# KiCad board KlusterLab r2.0.kicad_pcb (continued)
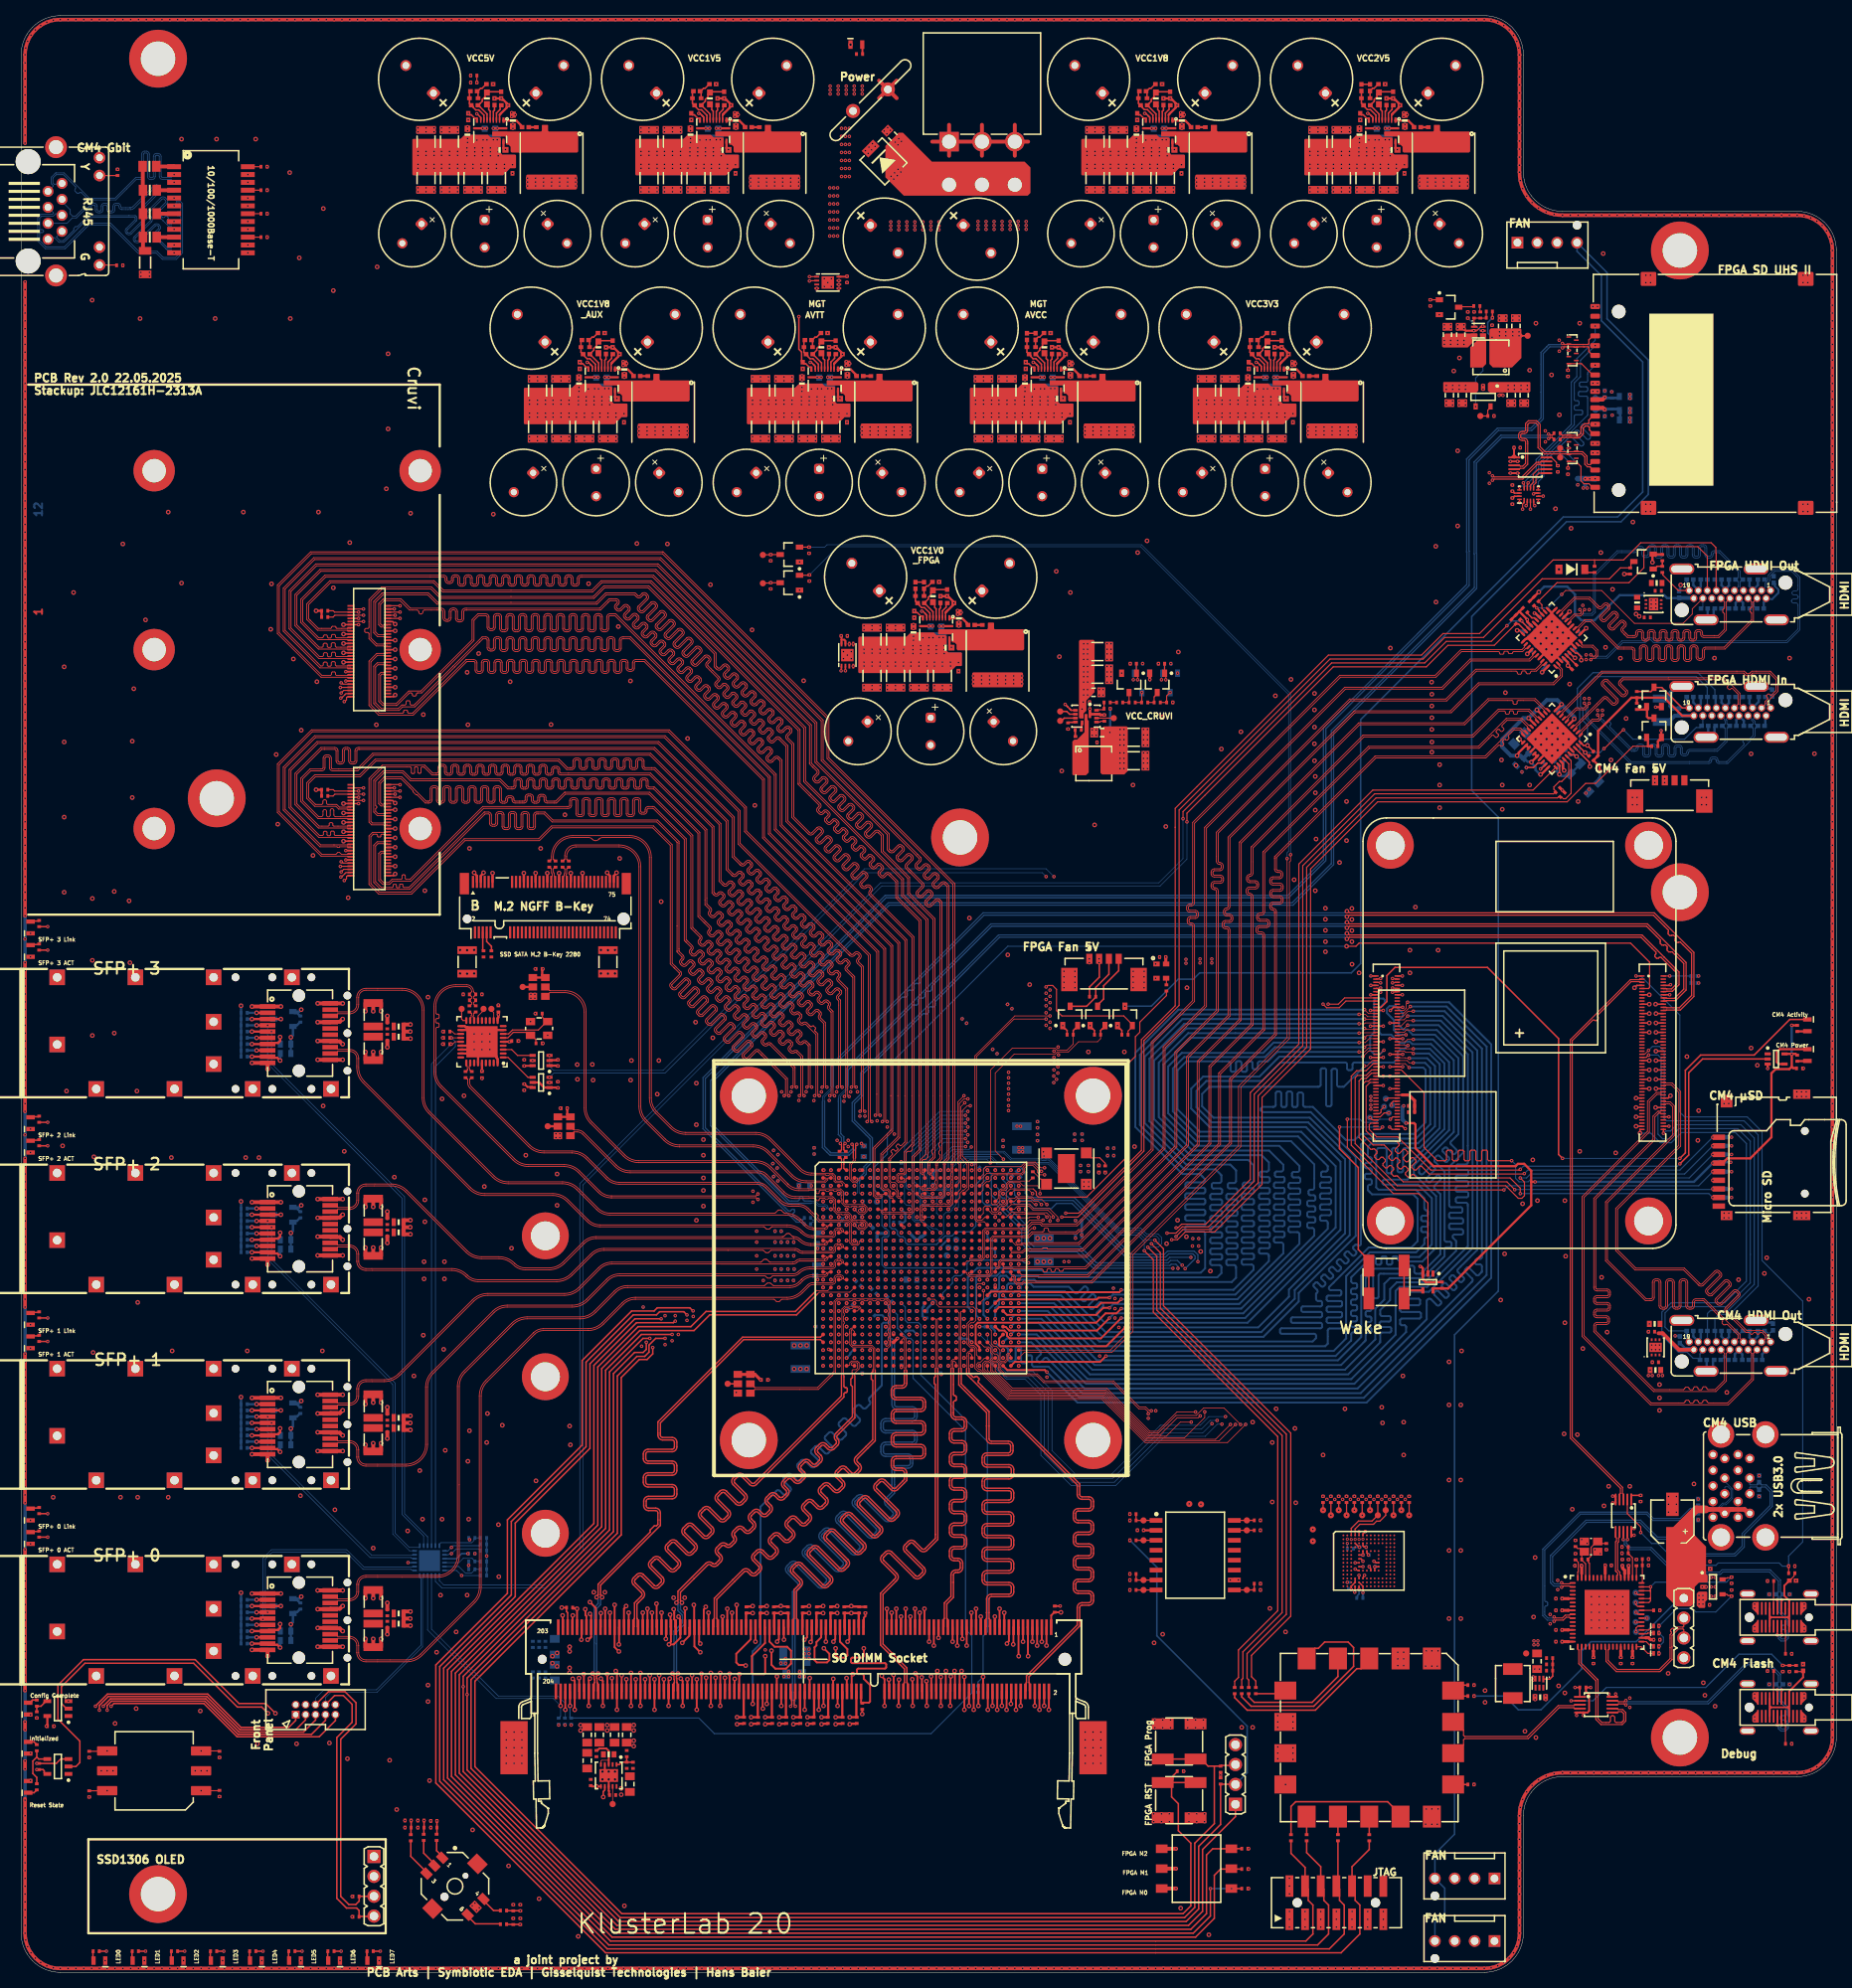
[diagram p0: board, top side]
## Routing (per net, layer and track width the routed paths; a pad name or vN(x,y) marks a point on that pad's centre or on a via; arc(x,y) is an arc through that point) (continued)
  vias: v1(0.5,234.74) v1(0.5,215) v1(0.5,211) v1(0.5,195) v1(0.5,191) v1(0.5,187) v1(0.5,176) v1(0.5,171) v1(0.5,155) v1(0.5,147) v1(0.5,128) v1(0.5,124) v1(0.5,119) v1(0.5,115) v1(0.5,111) v1(0.5,98) v1(0.5,92) v1(0.5,71) v1(0.5,53) v1(0.5,40) v1(0.5,21) v1(0.5,18) v1(0.5,10) v1(0.5,6) v1(0.59,245.88) v1(0.59,4.12) v1(0.84,246.72) v1(0.84,3.28) v1(1.2,132.75) v1(1.2,129.75) v1(1.2,107.75) v1(1.2,104.75) v1(1.2,82.75) v1(1.2,79.75) v1(1.2,57.75) v1(1.2,54.75) v1(1.2,32.9) v1(1.2,28) v1(1.26,247.5) v1(1.26,2.5) v1(1.82,248.18) v1(1.82,1.82) v1(2,26.7) v1(2.5,248.74) v1(2.5,1.26) v1(3.28,249.16) v1(3.28,0.84) v1(4.12,249.41) v1(4.12,0.59) v1(4.22,31.45) v1(6.05,34.65) v1(8.7,27.46) v1(8.7,22.41) v1(10,249.5) v1(10,0.5) v1(10.75,1.5) v1(11,249.5) v1(13,0.5) v1(15.3,217.2) v1(15.3,216.7) v1(15.75,1.5) v1(16.4,217.2) v1(16.4,216.7) v1(20,249.5) v1(20.75,1.5) v1(24,249.5) v1(25.35,27.46) v1(25.35,22.45) v1(25.75,1.5) v1(29,0.5) v1(30.75,1.5) v1(31.45,230.7) v1(31.45,227.7) v1(31.45,224.7) v1(31.45,221.7) v1(32,0.5) v1(34,249.5) v1(35,249.5) v1(35.75,1.5) v1(36,0.5) v1(40.75,1.5) v1(42,0.5) v1(45.75,1.5) v1(48,0.5) v1(49.06,19.4) v1(50,249.5) v1(50.73,232.65) v1(50.73,232.15) v1(50.73,231) v1(50.73,230.5) v1(50.71,19.4) v1(51.75,232.65) v1(51.75,232.15) v1(51.75,231) v1(51.75,230.5) v1(52,0.5) v1(52.36,19.35) v1(52.78,232.65) v1(52.78,232.15) v1(52.78,231) v1(52.78,230.5) v1(53.73,232.65) v1(53.73,232.15) v1(53.73,231) v1(53.73,230.5) v1(53.9,120.2) v1(54,0.5) v1(54.75,232.65) v1(54.75,232.15) v1(54.75,231) v1(54.75,230.5) v1(55.78,232.65) v1(55.78,232.15) v1(55.78,231) v1(55.78,230.5) v1(56,249.5) v1(56.73,231) v1(56.73,230.5) v1(56.98,233.1) v1(56.98,232.6) v1(56.98,232.1) v1(57.05,234.3) v1(57.05,233.8) v1(57.32,55.28) v1(57.46,242.35) v1(57.65,8.5) v1(57.75,231) v1(57.75,230.5) v1(57.9,118.9) v1(57.98,233.1) v1(57.98,232.6) v1(57.98,232.1) v1(58,53.5) v1(58,8.85) v1(58.2,7.9) v1(58.25,234.1) v1(58.55,8.25) v1(58.78,231) v1(58.78,230.5) v1(58.9,119.9) v1(58.9,117.9) v1(58.9,114.2) v1(59,249.5) v1(59.04,234.13) v1(58.98,233.1) v1(58.98,232.6) v1(58.98,232.1) v1(59.54,234.13) v1(59.73,231) v1(59.73,230.5) v1(59.9,118.9) v1(59.98,233.1) v1(59.98,232.6) v1(59.98,232.1) v1(60.35,234.15) v1(60.75,231) v1(60.75,230.5) v1(60.85,234.15) v1(61,249.5) v1(60.98,233.1) v1(60.98,232.6) v1(60.98,232.1) v1(61,123.6) v1(61,0.5) v1(61.78,231) v1(61.78,230.5) v1(62,30.7) v1(62,29.7) v1(62,28.7) v1(62,27.7) v1(62,26.7) v1(62.7,237.6) v1(62.71,237.11) v1(62.8,230.95) v1(63,249.5) v1(63,30.7) v1(63,29.7) v1(63,28.7) v1(63,27.7) v1(63,26.7) v1(63.15,237.35) v1(63.6,119) v1(63.8,8.64) v1(63.8,6.89) v1(64,30.7) v1(64,29.7) v1(64,28.7) v1(64,27.7) v1(64,26.7) v1(64.3,116.6) v1(64.3,112.71) v1(64.98,200.85) v1(64.98,200.35) v1(64.98,199.2) v1(64.98,198.7) v1(65.1,121.48) v1(65.15,124.95) v1(65.15,124.45) v1(65.38,116.5) v1(65.7,128.2) v1(65.65,124.95) v1(65.65,124.45) v1(65.7,122.5) v1(66,200.85) v1(66,200.35) v1(66,199.2) v1(66,198.7) v1(66.7,118.7) v1(67.03,200.85) v1(67.03,200.35) v1(67.03,199.2) v1(67.03,198.7) v1(67.3,119.73) v1(67.53,113.7) v1(67.98,200.85) v1(67.98,200.35) v1(67.98,199.2) v1(67.98,198.7) v1(68.35,107.15) v1(68.35,106.65) v1(68.6,113.8) v1(68.9,110.4) v1(68.85,107.15) v1(68.85,106.65) v1(69,200.85) v1(69,200.35) v1(69,199.2) v1(69,198.7) v1(70,249.5) v1(70.03,200.85) v1(70.03,200.35) v1(70.03,199.2) v1(70.03,198.7) v1(70,0.5) v1(70.98,199.2) v1(70.98,198.7) v1(71.23,201.3) v1(71.23,200.8) v1(71.23,200.3) v1(71.3,202.5) v1(71.3,202) v1(72,199.2) v1(72,198.7) v1(72.23,201.3) v1(72.23,200.8) v1(72.23,200.3) v1(72.5,202.3) v1(73.03,199.2) v1(73.03,198.7) v1(73.23,201.3) v1(73.23,200.8) v1(73.23,200.3) v1(73.29,202.33) v1(73.79,202.33) v1(73.98,199.2) v1(73.98,198.7) v1(74,0.5) v1(74.23,201.3) v1(74.23,200.8) v1(74.23,200.3) v1(74.6,202.35) v1(75,249.5) v1(75,199.2) v1(75,198.7) v1(75.1,202.35) v1(75.23,201.3) v1(75.23,200.8) v1(75.23,200.3) v1(76.03,199.2) v1(76.03,198.7) v1(76,0.5) v1(76.95,205.8) v1(76.96,205.31) v1(77.05,199.15) v1(77.4,205.55) v1(79,249.5) v1(79,0.5) v1(79.23,232.65) v1(79.23,232.15) v1(79.23,231) v1(79.23,230.5) v1(79.3,80) v1(79.5,85) v1(80.25,232.65) v1(80.25,232.15) v1(80.25,231) v1(80.25,230.5) v1(81.28,232.65) v1(81.28,232.15) v1(81.28,231) v1(81.28,230.5) v1(82,249.5) v1(82.23,232.65) v1(82.23,232.15) v1(82.23,231) v1(82.23,230.5) v1(82.3,83.9) v1(82.3,80.2) v1(83.2,80.7) v1(83.25,232.65) v1(83.25,232.15) v1(83.25,231) v1(83.25,230.5) v1(83.6,83.9) v1(84,81.5) v1(84.28,232.65) v1(84.28,232.15) v1(84.28,231) v1(84.28,230.5) v1(85,249.5) v1(85,0.5) v1(85.1,83.3) v1(85.23,231) v1(85.23,230.5) v1(85.48,233.1) v1(85.48,232.6) v1(85.48,232.1) v1(85.55,234.3) v1(85.55,233.8) v1(85.9,83.8) v1(86.25,231) v1(86.25,230.5) v1(86.48,233.1) v1(86.48,232.6) v1(86.48,232.1) v1(86.75,234.1) v1(87.28,231) v1(87.28,230.5) v1(87.54,234.13) v1(87.48,233.1) v1(87.48,232.6) v1(87.48,232.1) v1(88.04,234.13) v1(88.23,231) v1(88.23,230.5) v1(88.48,233.1) v1(88.48,232.6) v1(88.48,232.1) v1(88.85,234.15) v1(89.25,231) v1(89.25,230.5) v1(89.35,234.15) v1(89.48,233.1) v1(89.48,232.6) v1(89.48,232.1) v1(90.28,231) v1(90.28,230.5) v1(91.2,237.6) v1(91.21,237.11) v1(91.3,230.95) v1(91.4,74.1) v1(91.65,237.35) v1(93.48,200.85) v1(93.48,200.35) v1(93.48,199.2) v1(93.48,198.7) v1(93.53,99.81) v1(93.53,98.39) v1(94.01,94.7) v1(94.01,93.3) v1(94.01,91.55) v1(94.01,89.85) v1(94.5,200.85) v1(94.5,200.35) v1(94.5,199.2) v1(94.5,198.7) v1(94.86,88.4) v1(95.1,41.2) v1(95.53,200.85) v1(95.53,200.35) v1(95.53,199.2) v1(95.53,198.7) v1(95.5,75.7) v1(96.07,103.33) v1(96.17,105.03) v1(96.17,101.68) v1(96.36,94.7) v1(96.36,93.3) v1(96.36,91.55) v1(96.36,89.85) v1(96.36,88.4) v1(96.48,200.85) v1(96.48,200.35) v1(96.48,199.2) v1(96.48,198.7) v1(97,0.5) v1(97.1,39.5) v1(97.2,112.5) v1(97.5,200.85) v1(97.5,200.35) v1(97.5,199.2) v1(97.5,198.7) v1(97.5,37.8) v1(97.7,40.1) v1(97.7,39.5) v1(98.1,38.4) v1(98.1,37.8) v1(98.4,112.5) v1(98.53,200.85) v1(98.53,200.35) v1(98.53,199.2) v1(98.53,198.7) v1(98.75,93.3) v1(98.75,91.55) v1(98.71,88.4) v1(98.8,89.85) v1(99,249.5) v1(99.4,111.4) v1(99.4,100.5) v1(99.48,199.2) v1(99.48,198.7) v1(99.73,201.3) v1(99.73,200.8) v1(99.73,200.3) v1(99.8,202.5) v1(99.8,202) v1(100.33,112.51) v1(100.5,199.2) v1(100.5,198.7) v1(100.73,201.3) v1(100.73,200.8) v1(100.73,200.3) v1(101,249.5) v1(101,202.3) v1(101,0.5) v1(101.32,111.38) v1(101.35,105.34) v1(101.53,199.2) v1(101.53,198.7) v1(101.48,82.5) v1(101.69,215.15) v1(101.73,201.3) v1(101.73,200.8) v1(101.73,200.3) v1(101.79,202.33) v1(102.29,202.33) v1(102.28,112.5) v1(102.48,199.2) v1(102.48,198.7) v1(102.5,100.5) v1(102.5,98.5) v1(102.5,96.5) v1(102.5,92.5) v1(102.5,88.5) v1(102.5,87.5) v1(102.5,77.5) v1(102.6,102.5) v1(102.65,216.4) v1(102.65,215.4) v1(102.73,201.3) v1(102.73,200.8) v1(102.73,200.3) v1(103.1,215.9) v1(103.1,202.35) v1(103.28,111.4) v1(103.55,216.4) v1(103.55,215.4) v1(103.5,199.2) v1(103.5,198.7) v1(103.5,102.5) v1(103.5,98.5) v1(103.5,94.5) v1(103.5,90.5) v1(103.5,88.5) v1(103.5,84.5) v1(103.6,202.35) v1(103.73,201.3) v1(103.73,200.8) v1(103.73,200.3) v1(104,249.5) v1(104.22,112.5) v1(104.29,106.3) v1(104.51,216.15) v1(104.51,215.65) v1(104.51,215.15) v1(104.53,199.2) v1(104.53,198.7) v1(104.5,97.5) v1(104.5,93.5) v1(104.5,89.5) v1(104.5,87.5) v1(104.5,81.5) v1(105.1,168.75) v1(105.1,167.85) v1(105.15,111.3) v1(105.45,205.8) v1(105.46,205.31) v1(105.5,101.5) v1(105.5,99.5) v1(105.5,97.5) v1(105.5,95.5) v1(105.5,93.5) v1(105.5,91.5) v1(105.5,89.5) v1(105.5,87.5) v1(105.55,215.91) v1(105.55,199.15) v1(105.6,170.75) v1(105.6,168.3) v1(105.71,106.3) v1(105.7,105.5) v1(105.9,205.55) v1(105.85,169.71) v1(106,249.5) v1(106.02,112.5) v1(106,0.5) v1(106.1,168.75) v1(106.1,167.85) v1(106.35,169.71) v1(106.35,166.89) v1(106.5,102.5) v1(106.5,100.5) v1(106.5,98.5) v1(106.5,96.5) v1(106.5,94.5) v1(106.5,92.5) v1(106.5,90.5) v1(106.5,88.5) v1(106.5,85.5) v1(106.89,112.5) v1(107.2,109.4) v1(107.2,102.5) v1(107.4,105.9) v1(107.5,82.5) v1(107.5,76.48) v1(107.73,169.05) v1(107.73,168.55) v1(107.73,167.4) v1(107.73,166.9) v1(107.7,105.58) v1(107.85,109.4) v1(108,249.5) v1(108.5,102.5) v1(108.5,101.5) v1(108.5,100.5) v1(108.5,99.5) v1(108.5,98.5) v1(108.5,97.48) v1(108.5,93.5) v1(108.5,91.5) v1(108.5,90.5) v1(108.5,89.5) v1(108.5,79.5) v1(108.75,169.05) v1(108.75,168.55) v1(108.75,167.4) v1(108.75,166.9) v1(109,0.5) v1(109.4,108.8) v1(109.5,96.5) v1(109.5,88.7) v1(109.5,86.5) v1(109.78,169.05) v1(109.78,168.55) v1(109.78,167.4) v1(109.78,166.9) v1(110.5,93.5) v1(110.5,91.5) v1(110.5,89.5) v1(110.5,87.5) v1(110.73,169.05) v1(110.73,168.55) v1(110.73,167.4) v1(110.73,166.9) v1(110.7,108) v1(111,0.5) v1(111.18,229.47) v1(111.53,229.12) v1(111.5,100.5) v1(111.5,92.5) v1(111.5,90.5) v1(111.5,88.5) v1(111.5,86.5) v1(111.63,229.92) v1(111.6,107.1) v1(111.71,233.84) v1(111.75,169.05) v1(111.75,168.55) v1(111.75,167.4) v1(111.75,166.9) v1(112,249.5) v1(111.98,229.57) v1(112.06,233.49) v1(112.08,230.37) v1(112.16,234.29) v1(112.43,230.02) v1(112.51,233.94) v1(112.48,103.58) v1(112.5,93.5) v1(112.5,91.5) v1(112.5,90.5) v1(112.5,89.5) v1(112.5,88.5) v1(112.5,87.5) v1(112.5,77.3) v1(112.78,169.05) v1(112.78,168.55) v1(112.78,167.4) v1(112.78,166.9) v1(113.5,92.5) v1(113.5,90.5) v1(113.5,89.5) v1(113.5,88.5) v1(113.5,86.5) v1(113.5,84.5) v1(113.73,167.4) v1(113.73,166.9) v1(114,249.5) v1(113.98,169.5) v1(113.98,169) v1(113.98,168.5) v1(114,0.5) v1(114.05,170.7) v1(114.05,170.2) v1(114.5,101.5) v1(114.5,91.5) v1(114.5,89.5) v1(114.5,87.5) v1(114.75,167.4) v1(114.75,166.9) v1(114.98,169.5) v1(114.98,169) v1(114.98,168.5) v1(115.25,170.5) v1(115.5,98.5) v1(115.5,92.5) v1(115.5,90.5) v1(115.5,88.5) v1(115.5,86.5) v1(115.5,78.5) v1(115.78,167.4) v1(115.78,166.9) v1(116.04,170.53) v1(115.98,169.5) v1(115.98,169) v1(115.98,168.5) v1(116.54,170.53) v1(116.5,95.5) v1(116.5,91.5) v1(116.5,89.5) v1(116.5,87.5) v1(116.73,167.4) v1(116.73,166.9) v1(116.98,169.5) v1(116.98,169) v1(116.98,168.5) v1(117.35,170.55) v1(117.5,82.5) v1(117.6,76.4) v1(117.75,167.4) v1(117.75,166.9) v1(117.85,170.55) v1(117.98,169.5) v1(117.98,169) v1(117.98,168.5) v1(118,0.5) v1(118.5,99.5) v1(118.5,89.5) v1(118.5,79.5) v1(118.78,167.4) v1(118.78,166.9) v1(119.5,96.5) v1(119.5,86.5) v1(119.7,174) v1(119.71,173.51) v1(119.8,167.35) v1(120.15,173.75) v1(120.27,121.83) v1(120.5,93.5) v1(120.5,83.5) v1(121.49,100.51) v1(121.5,90.5) v1(121.98,200.85) v1(121.98,200.35) v1(121.98,199.2) v1(121.98,198.7) v1(122.5,97.5) v1(122.5,87.5) v1(122.5,77.5) v1(123,200.85) v1(123,200.35) v1(123,199.2) v1(123,198.7) v1(124.03,200.85) v1(124.03,200.35) v1(124.03,199.2) v1(124.03,198.7) v1(124.17,117.93) v1(124.5,101.5) v1(124.98,200.85) v1(124.98,200.35) v1(124.98,199.2) v1(124.98,198.7) v1(124.98,96.05) v1(125.5,106.29) v1(125.5,98.5) v1(125.5,88.5) v1(125.5,78.5) v1(126,200.85) v1(126,200.35) v1(126,199.2) v1(126,198.7) v1(126.07,123.68) v1(126.5,95.5) v1(126.5,85.5) v1(127.03,200.85) v1(127.03,200.35) v1(127.03,199.2) v1(127.03,198.7) v1(127.28,108.1) v1(127.5,102.5) v1(127.5,92.5) v1(127.5,82.5) v1(127.73,108.1) v1(127.98,199.2) v1(127.98,198.7) v1(128.23,201.3) v1(128.23,200.8) v1(128.23,200.3) v1(128.3,202.5) v1(128.3,202) v1(128.4,97.5) v1(128.5,87.5) v1(129,199.2) v1(129,198.7) v1(129.23,201.3) v1(129.23,200.8) v1(129.23,200.3) v1(129.5,202.3) v1(129.9,108.69) v1(129.9,106.26) v1(130.03,199.2) v1(130.03,198.7) v1(130.23,201.3) v1(130.23,200.8) v1(130.23,200.3) v1(130.29,202.33) v1(130.66,104.83) v1(130.73,104.3) v1(130.79,202.33) v1(130.98,199.2) v1(130.98,198.7) v1(131.1,76.05) v1(131.23,201.3) v1(131.23,200.8) v1(131.23,200.3) v1(131.6,202.35) v1(132,199.2) v1(132,198.7) v1(132,0.5) v1(132.1,202.35) v1(132.23,201.3) v1(132.23,200.8) v1(132.23,200.3) v1(133.03,199.2) v1(133.03,198.7) v1(133.28,127.9) v1(133.28,127.2) v1(133.28,126.5) v1(133.28,125.8) v1(133.95,205.8) v1(133.95,205.31) v1(134.05,199.15) v1(134.4,205.55) v1(134.68,127.9) v1(134.68,127.2) v1(134.68,126.5) v1(134.68,125.8) v1(134.65,107.09) v1(135.4,102.31) v1(135.6,107.09) v1(136,30.7) v1(136,29.7) v1(136,28.7) v1(136,27.7) v1(136,26.7) v1(136.23,232.65) v1(136.23,232.15) v1(136.23,231) v1(136.23,230.5) v1(136.4,102.31) v1(136.55,162.3) v1(136.53,129.5) v1(136.53,129) v1(136.6,161.4) v1(136.9,158.75) v1(136.9,158.05) v1(137,30.7) v1(137,29.7) v1(137,28.7) v1(137,27.7) v1(137,26.7) v1(137,0.5) v1(137.25,232.65) v1(137.25,232.15) v1(137.25,231) v1(137.25,230.5) v1(137.4,158.75) v1(137.4,158.05) v1(137.51,157.15) v1(137.8,163.9) v1(137.8,163.2) v1(137.75,103.15) v1(137.85,78.75) v1(138,30.7) v1(138,29.7) v1(138,28.7) v1(138,27.7) v1(138,26.7) v1(138.28,232.65) v1(138.28,232.15) v1(138.28,231) v1(138.28,230.5) v1(138.3,163.9) v1(138.3,163.2) v1(138.8,169.75) v1(138.8,169.05) v1(138.8,168.45) v1(138.8,167.75) v1(138.8,166.85) v1(138.8,166.15) v1(138.8,165.55) v1(138.8,164.85) v1(139,249.5) v1(139.23,232.65) v1(139.23,232.15) v1(139.23,231) v1(139.23,230.5) v1(139.3,169.75) v1(139.3,169.05) v1(139.3,168.45) v1(139.3,167.75) v1(139.3,166.85) v1(139.3,166.15) v1(139.3,165.55) v1(139.3,164.85) v1(139.65,105.3) v1(139.65,104.35) v1(139.6,87.4) v1(139.8,86.1) v1(139.8,84.8) v1(139.8,83.6) v1(140,0.5) v1(140.25,232.65) v1(140.25,232.15) v1(140.25,231) v1(140.25,230.5) v1(140.3,82.4) v1(140.65,166) v1(141.28,232.65) v1(141.28,232.15) v1(141.28,231) v1(141.28,230.5) v1(141.76,167.22) v1(142.13,127.9) v1(142.13,127.2) v1(142.13,126.5) v1(142.13,125.8) v1(142.23,231) v1(142.23,230.5) v1(142.48,233.1) v1(142.48,232.6) v1(142.48,232.1) v1(142.55,234.3) v1(142.55,233.8) v1(142.67,56.49) v1(143.25,231) v1(143.25,230.5) v1(143.34,167.22) v1(143.48,233.1) v1(143.48,232.6) v1(143.48,232.1) v1(143.45,158.8) v1(143.45,158.1) v1(143.45,157.5) v1(143.45,156.8) v1(143.45,155.8) v1(143.45,155.1) v1(143.45,154.5) v1(143.45,153.8) v1(143.53,127.9) v1(143.53,127.2) v1(143.53,126.5) v1(143.53,125.8) v1(143.75,234.1) v1(143.95,158.8) v1(143.95,158.1) v1(143.95,157.5) v1(143.95,156.8) v1(143.95,155.8) v1(143.95,155.1) v1(143.95,154.5) v1(143.95,153.8) v1(144.06,70.8) v1(144.28,231) v1(144.28,230.5) v1(144.54,234.13) v1(144.48,233.1) v1(144.48,232.6) v1(144.48,232.1) v1(144.9,32.25) v1(144.9,31.25) v1(145,249.5) v1(145.04,234.13) v1(145,128.84) v1(145,127.01) v1(145.02,71.75) v1(145.23,231) v1(145.23,230.5) v1(145.36,167.22) v1(145.48,233.1) v1(145.48,232.6) v1(145.48,232.1) v1(145.51,129.72) v1(145.85,234.15) v1(145.9,32.25) v1(145.9,31.25) v1(146.25,231) v1(146.25,230.5) v1(146.35,234.15) v1(146.48,233.1) v1(146.48,232.6) v1(146.48,232.1) v1(146.95,167.22) v1(146.9,32.25) v1(146.9,31.25) v1(147.2,162.27) v1(147.28,231) v1(147.28,230.5) v1(147.8,166) v1(148.2,237.6) v1(148.2,237.11) v1(148.3,230.95) v1(148.6,25.7) v1(148.65,237.35) v1(149.1,32.25) v1(149.1,31.25) v1(150.1,32.25) v1(150.1,31.25) v1(150.48,200.85) v1(150.48,200.35) v1(150.48,199.2) v1(150.48,198.7) v1(150.79,59.81) v1(151.1,32.25) v1(151.1,31.25) v1(151.5,200.85) v1(151.5,200.35) v1(151.5,199.2) v1(151.5,198.7) v1(152,0.5) v1(152.53,200.85) v1(152.53,200.35) v1(152.53,199.2) v1(152.53,198.7) v1(153.48,200.85) v1(153.48,200.35) v1(153.48,199.2) v1(153.48,198.7) v1(154.5,200.85) v1(154.5,200.35) v1(154.5,199.2) v1(154.5,198.7) v1(154.54,50.13) v1(155,0.5) v1(155.53,200.85) v1(155.53,200.35) v1(155.53,199.2) v1(155.53,198.7) v1(156.48,199.2) v1(156.48,198.7) v1(156.73,201.3) v1(156.73,200.8) v1(156.73,200.3) v1(156.8,202.5) v1(156.8,202) v1(156.9,15.8) v1(156.9,13.2) v1(156.9,10.7) v1(157.5,199.2) v1(157.5,198.7) v1(157.73,201.3) v1(157.73,200.8) v1(157.73,200.3) v1(158,202.3) v1(158.53,199.2) v1(158.53,198.7) v1(158.73,201.3) v1(158.73,200.8) v1(158.73,200.3) v1(158.79,202.33) v1(159,249.5) v1(159.29,202.33) v1(159.48,199.2) v1(159.48,198.7) v1(159.73,201.3) v1(159.73,200.8) v1(159.73,200.3) v1(160.1,202.35) v1(160.5,199.2) v1(160.5,198.7) v1(160.6,202.35) v1(160.6,32.8) v1(160.6,32) v1(160.6,31.3) v1(160.73,201.3) v1(160.73,200.8) v1(160.73,200.3) v1(161.53,199.2) v1(161.53,198.7) v1(162.1,7.78) v1(162.1,6.78) v1(162.1,5.78) v1(162.45,205.8) v1(162.45,205.31) v1(162.55,199.15) v1(162.55,32.7) v1(162.55,32) v1(162.55,31.2) v1(162.9,205.55) v1(163,0.5) v1(164.1,7.78) v1(164.1,6.78) v1(164.1,5.78) v1(164.73,232.65) v1(164.73,232.15) v1(164.73,231) v1(164.73,230.5) v1(165,249.5) v1(165.09,56.6) v1(165.75,232.65) v1(165.75,232.15) v1(165.75,231) v1(165.75,230.5) v1(166.1,7.78) v1(166.1,6.78) v1(166.1,5.78) v1(166.78,232.65) v1(166.78,232.15) v1(166.78,231) v1(166.78,230.5) v1(166.9,60.43) v1(167.73,232.65) v1(167.73,232.15) v1(167.73,231) v1(167.73,230.5) v1(167.9,60.43) v1(168.1,7.78) v1(168.1,6.78) v1(168.1,5.78) v1(168.75,232.65) v1(168.75,232.15) v1(168.75,231) v1(168.75,230.5) v1(168.9,60.43) v1(169.5,49.83) v1(169.78,232.65) v1(169.78,232.15) v1(169.78,231) v1(169.78,230.5) v1(169.9,60.43) v1(170,0.5) v1(170.1,7.78) v1(170.1,6.78) v1(170.1,5.78) v1(170.73,231) v1(170.73,230.5) v1(170.9,60.43) v1(170.98,233.1) v1(170.98,232.6) v1(170.98,232.1) v1(171,0.5) v1(171.05,234.3) v1(171.05,233.8) v1(171.75,231) v1(171.75,230.5) v1(171.9,60.43) v1(171.98,233.1) v1(171.98,232.6) v1(171.98,232.1) v1(172.1,7.78) v1(172.1,6.78) v1(172.1,5.78) v1(172.25,234.1) v1(172.78,231) v1(172.78,230.5) v1(172.9,60.43) v1(173.04,234.13) v1(172.98,233.1) v1(172.98,232.6) v1(172.98,232.1) v1(173,0.5) v1(173.54,234.13) v1(173.73,231) v1(173.73,230.5) v1(173.9,60.43) v1(173.98,233.1) v1(173.98,232.6) v1(173.98,232.1) v1(174.1,7.78) v1(174.1,6.78) v1(174.1,5.78) v1(174.35,234.15) v1(174.75,231) v1(174.75,230.5) v1(174.85,234.15) v1(174.9,60.43) v1(174.98,233.1) v1(174.98,232.6) v1(174.98,232.1) v1(175,0.5) v1(175.78,231) v1(175.78,230.5) v1(175.9,60.43) v1(176.7,237.6) v1(176.7,237.11) v1(176.8,230.95) v1(176.9,60.43) v1(177,0.5) v1(177.15,237.35) v1(179.5,39.13) v1(179.5,18.93) v1(179.6,41.08) v1(179.6,20.88) v1(180,0.5) v1(180.1,212.91) v1(180.3,41.08) v1(180.3,39.13) v1(180.3,20.88) v1(180.3,18.93) v1(181,39.13) v1(181,18.93) v1(181,0.5) v1(181.1,41.08) v1(181.1,20.88) v1(181.27,211.8) v1(181.9,210.5) v1(181.9,210) v1(182.15,200.75) v1(182.15,200.25) v1(182.7,210.5) v1(182.7,210) v1(182.95,200.75) v1(182.95,200.25) v1(183,0.5) v1(183.6,210.5) v1(183.6,210) v1(183.8,200.75) v1(183.8,200.25) v1(184,249.5) v1(184.4,210.5) v1(184.4,210) v1(184.6,200.75) v1(184.6,200.25) v1(184.9,212.14) v1(185.7,212.15) v1(185.7,36.7) v1(186,249.5) v1(186.81,210.34) v1(186.85,202.77) v1(186.85,202.27) v1(187.65,191.6) v1(187.65,190.25) v1(187.88,249.41) v1(187.88,0.59) v1(188,210.45) v1(188.72,249.16) v1(188.72,0.84) v1(188.89,201.49) v1(188.95,211.6) v1(188.95,211.1) v1(189.39,201.49) v1(189.5,248.74) v1(189.5,1.26) v1(189.75,211.6) v1(189.75,211.1) v1(190.05,200.75) v1(190.05,200.25) v1(190.18,248.18) v1(190.18,1.82) v1(190.35,193.05) v1(190.35,191.55) v1(190.59,190.03) v1(190.59,187.59) v1(190.74,247.5) v1(190.65,211.6) v1(190.65,211.1) v1(190.74,2.5) v1(190.85,200.75) v1(190.85,200.25) v1(191.16,246.72) v1(191.16,3.28) v1(191.25,193.05) v1(191.25,191.55) v1(191.41,245.88) v1(191.41,4.12) v1(191.5,243.97) v1(191.5,233.97) v1(191.5,232.95) v1(191.5,231.92) v1(191.5,230.9) v1(191.45,211.6) v1(191.45,211.1) v1(191.5,19) v1(191.5,18) v1(191.5,17) v1(191.5,14) v1(191.5,11) v1(191.5,9) v1(191.5,6) v1(191.61,228.93) v1(191.6,194.8) v1(191.61,21.07) v1(191.7,200.75) v1(191.7,200.25) v1(191.92,227.9) v1(191.92,22.1) v1(192.43,226.94) v1(192.43,23.06) v1(192.5,200.75) v1(192.5,200.25) v1(193.11,226.11) v1(193.11,23.89) v1(193.45,38.75) v1(193.94,225.43) v1(193.94,24.57) v1(194.05,38.75) v1(194.8,196.95) v1(194.81,195.54) v1(194.9,224.92) v1(194.85,35.35) v1(194.85,34.85) v1(194.9,25.08) v1(195.42,45.73) v1(195.42,44.53) v1(195.93,224.61) v1(195.93,25.39) v1(196.16,47.75) v1(196.16,46.25) v1(196.16,43.75) v1(196.16,42.25) v1(196.4,191.71) v1(196.39,50.09) v1(196.39,48.89) v1(196.58,208.54) v1(196.59,207.13) v1(197.81,207.24) v1(197.81,194.75) v1(198,224.5) v1(198,25.5) v1(198.56,51.95) v1(198.65,55.19) v1(198.65,53.49) v1(198.95,190.06) v1(199.45,55.3) v1(199.6,174.65) v1(199.65,189.65) v1(199.8,162.75) v1(200.02,168.33) v1(200.02,167.73) v1(200,25.5) v1(200.15,189.65) v1(200.15,54.8) v1(200.42,174.1) v1(200.4,162.75) v1(200.7,48) v1(200.7,47) v1(200.7,46) v1(200.7,45) v1(200.7,44) v1(200.87,212.84) v1(200.87,203.04) v1(200.87,201.99) v1(200.87,195.34) v1(200.87,194.14) v1(200.95,39.46) v1(201.15,54) v1(201.47,212.84) v1(201.47,203.04) v1(201.47,201.99) v1(201.47,195.34) v1(201.47,194.14) v1(201.5,161.25) v1(201.7,48) v1(201.7,47) v1(201.7,46) v1(201.7,45) v1(201.7,44) v1(201.85,53.5) v1(202.1,161.25) v1(202.4,202.08) v1(202.4,198.83) v1(202.6,54) v1(202.7,48) v1(202.7,47) v1(202.7,46) v1(202.7,45) v1(202.7,44) v1(203,25.5) v1(203.25,52) v1(203.3,201.95) v1(203.35,198.96) v1(203.7,48) v1(203.7,47) v1(203.7,46) v1(203.7,45) v1(203.7,44) v1(204.45,39.46) v1(204.61,54.35) v1(204.65,52.74) v1(204.7,48) v1(204.7,47) v1(204.7,46) v1(204.7,45) v1(204.7,44) v1(205.45,52.74) v1(205.6,35.05) v1(205.6,33.85) v1(205.94,150.12) v1(205.94,149.18) v1(206,224.5) v1(205.95,39.46) v1(206.54,150.12) v1(206.54,149.18) v1(206.45,52.75) v1(206.99,60.15) v1(207.65,216.83) v1(207.65,215.9) v1(207.65,187.58) v1(207.65,186.65) v1(208,224.5) v1(207.98,81.85) v1(207.98,76.25) v1(208,52.8) v1(208.1,82.85) v1(208.2,76.95) v1(208.25,216.83) v1(208.25,215.9) v1(208.25,187.58) v1(208.25,186.65) v1(208.34,175.31) v1(208.34,174.81) v1(208.34,174.31) v1(208.4,80.15) v1(208.4,79.55) v1(208.48,77.95) v1(208.48,76.25) v1(208.8,152.52) v1(208.8,152.02) v1(208.94,175.31) v1(208.94,174.81) v1(208.94,174.31) v1(208.9,80.15) v1(208.9,79.55) v1(209,25.5) v1(209.4,80.15) v1(209.4,79.55) v1(209.45,42.5) v1(210,224.5) v1(210,25.5) v1(210.55,60.8) v1(210.55,59.8) v1(210.55,58.8) v1(211.55,60.8) v1(211.55,59.8) v1(211.55,58.8) v1(213,224.5) v1(213,25.5) v1(214.33,60.47) v1(214.33,57.82) v1(214.4,126.4) v1(214.79,150.12) v1(214.79,149.18) v1(214.85,49.24) v1(215.39,150.12) v1(215.39,149.18) v1(215.35,49.24) v1(215.85,52.5) v1(215.8,46.95) v1(215.88,51.55) v1(216,50.45) v1(216,49.25) v1(216,48.05) v1(216.2,101.2) v1(216.5,50.45) v1(216.5,49.25) v1(216.5,48.05) v1(217.65,111.6) v1(217.65,111) v1(217.65,97) v1(217.65,96.4) v1(218.25,111.6) v1(218.25,111) v1(218.25,97) v1(218.25,96.4) v1(221.55,47.05) v1(221.55,46.55) v1(221.55,44.17) v1(221.55,43.67) v1(221.55,35.55) v1(221.55,35.05) v1(221.55,32.67) v1(221.55,32.17) v1(222.13,63.47) v1(222.13,60.82) v1(223,224.5) v1(223.2,50) v1(223.2,38.5) v1(223.43,48.3) v1(223.43,36.8) v1(225.16,38.42) v1(226,224.5) v1(226.03,48.3) v1(226.01,38.42) v1(226.03,36.8) v1(226,25.5) v1(226.3,40.7) v1(226.3,29.2) v1(226.69,51.9) v1(226.85,50.05) v1(226.95,112.5) v1(226.95,111.9) v1(226.95,97) v1(226.95,96.4) v1(227.55,112.5) v1(227.55,111.9) v1(227.55,97) v1(227.55,96.4) v1(227.75,216.83) v1(227.75,215.9) v1(227.75,187.58) v1(227.75,186.65) v1(227.8,115.5) v1(227.75,39.38) v1(227.88,224.41) v1(227.9,47.05) v1(227.9,46.55) v1(227.9,44.17) v1(227.9,43.67) v1(227.9,35.55) v1(227.9,35.05) v1(227.9,32.67) v1(227.9,32.17) v1(227.88,25.59) v1(228.15,112.5) v1(228.15,111.9) v1(228.15,97) v1(228.15,96.4) v1(228.35,216.83) v1(228.35,215.9) v1(228.35,187.58) v1(228.35,186.65) v1(228.72,224.16) v1(228.72,25.84) v1(229.5,223.74) v1(229.5,26.26) v1(230.18,223.18) v1(230.18,26.82) v1(230.74,222.5) v1(230.74,27.5) v1(231.16,221.72) v1(231.16,28.28) v1(231.41,220.88) v1(231.41,29.12) v1(231.5,219) v1(231.5,213) v1(231.5,206) v1(231.5,201) v1(231.5,200) v1(231.5,199) v1(231.5,198) v1(231.5,197) v1(231.5,196) v1(231.5,195) v1(231.5,194) v1(231.5,193) v1(231.5,192) v1(231.5,191) v1(231.5,190) v1(231.5,189) v1(231.5,188) v1(231.5,187) v1(231.5,186) v1(231.5,185) v1(231.5,184) v1(231.5,183) v1(231.5,182) v1(231.5,181) v1(231.5,180) v1(231.5,179) v1(231.5,178) v1(231.5,177) v1(231.5,176) v1(231.5,175) v1(231.5,174) v1(231.5,173) v1(231.5,172) v1(231.5,171) v1(231.5,170) v1(231.5,169) v1(231.5,168) v1(231.5,167) v1(231.5,166) v1(231.5,165) v1(231.5,164) v1(231.5,163) v1(231.5,162) v1(231.5,161) v1(231.5,160) v1(231.5,159) v1(231.5,158) v1(231.5,157) v1(231.5,156) v1(231.5,155) v1(231.5,154) v1(231.5,153) v1(231.5,152) v1(231.5,151) v1(231.5,150) v1(231.5,149) v1(231.5,148) v1(231.5,147) v1(231.5,146) v1(231.5,145) v1(231.5,144) v1(231.5,143) v1(231.5,142) v1(231.5,141) v1(231.5,140) v1(231.5,139) v1(231.5,138) v1(231.5,137) v1(231.5,136) v1(231.5,134) v1(231.5,131) v1(231.5,119) v1(231.5,118) v1(231.5,117) v1(231.5,116) v1(231.5,115) v1(231.5,114) v1(231.5,113) v1(231.5,112) v1(231.5,111) v1(231.5,110) v1(231.5,109) v1(231.5,108) v1(231.5,107) v1(231.5,106) v1(231.5,105) v1(231.5,104) v1(231.5,103) v1(231.5,102) v1(231.5,101) v1(231.5,100) v1(231.5,99) v1(231.5,98) v1(231.5,97) v1(231.5,96) v1(231.5,95) v1(231.5,94) v1(231.5,93) v1(231.5,92) v1(231.5,91) v1(231.5,90) v1(231.5,89) v1(231.5,88) v1(231.5,87) v1(231.5,86) v1(231.5,85) v1(231.5,84) v1(231.5,83) v1(231.5,82) v1(231.5,81) v1(231.5,80) v1(231.5,79) v1(231.5,78) v1(231.5,77) v1(231.5,76) v1(231.5,75) v1(231.5,74) v1(231.5,73) v1(231.5,72) v1(231.5,71) v1(231.5,70) v1(231.5,69) v1(231.5,68) v1(231.5,67) v1(231.5,66) v1(231.5,65) v1(231.5,64) v1(231.5,63) v1(231.5,62) v1(231.5,61) v1(231.5,60) v1(231.5,59) v1(231.5,58) v1(231.5,57) v1(231.5,56) v1(231.5,55) v1(231.5,54) v1(231.5,53) v1(231.5,52) v1(231.5,51) v1(231.5,50) v1(231.5,49) v1(231.5,48) v1(231.5,47) v1(231.5,46) v1(231.5,40) v1(231.5,34) v1(231.5,33) v1(231.5,32) v1(231.5,31) v1(231.5,30) v2(4.1,60.7) v2(5.3,105.6) v2(5.5,166.8) v2(5.5,157.2) v2(5.5,147.6) v2(5.5,138) v2(5.8,112.6) v2(6.7,176.3) v2(9.08,213.65) v2(9.1,137.2) v2(9.1,129.3) v2(9.1,119.7) v2(9.2,79.2) v2(9.3,104.2) v2(11.9,138.1) v2(11.9,120) v2(12,31.8) v2(12.7,60.7) v2(13,182.5) v2(13.8,136.9) v2(13.9,129) v2(14.2,157.3) v2(14.2,150.1) v2(14.4,164) v2(14.7,33.7) v2(14.8,112.6) v2(14.9,85.6) v2(14.9,60.7) v2(15.2,211.3) v2(15.9,172.8) v2(18.8,186.57) v2(18.8,60.7) v2(19.2,104.1) v2(19.3,79.4) v2(20.5,234.22) v2(20.5,177.5) v2(22.9,33.4) v2(24.8,211.3) v2(24.98,234.22) v2(28.4,186.57) v2(28.7,104.1) v2(28.9,79.4) v2(29.98,234.22) v2(30.2,29.2) v2(30.4,104.1) v2(31.9,171.6) v2(32,177.4) v2(32.6,155.6) v2(32.8,146.7) v2(34.33,229.95) v2(34.4,211.3) v2(34.8,167.8) v2(35.2,29.2) v2(35.55,219.05) v2(35.7,60.9) v2(35.8,158.7) v2(37.3,142.7) v2(37.8,164.9) v2(38,186.57) v2(38.5,79.4) v2(38.63,225.35) v2(38.6,110.7) v2(39.4,29.3) v2(39.9,214.87) v2(39.9,176.9) v2(40.1,59.1) v2(41.3,104.9) v2(41.7,27.3) v2(41.8,137.3) v2(42,182.67) v2(45,54.2) v2(45.4,159.4) v2(45.5,217.9) v2(46.68,189.55) v2(46.9,206.8) v2(46.9,197.2) v2(47.1,27.1) v2(47.7,101.6) v2(48,20.8) v2(49.4,56.4) v2(49.78,186.42) v2(50.2,76.2) v2(50.95,64.11) v2(51.3,57.9) v2(51.4,160.7) v2(51.4,81.4) v2(51.5,90.8) v2(51.5,88.6) v2(51.6,138.2) v2(51.6,98.7) v2(51.6,95.9) v2(52,124.6) v2(52,36.7) v2(52,34.6) v2(52.2,24.5) v2(53.1,40.9) v2(53.6,48.2) v2(53.8,111.6) v2(53.8,57.9) v2(54,79.6) v2(54.1,90.8) v2(54.1,88.6) v2(54.2,66.7) v2(55.6,43.5) v2(56.1,127.62) v2(56.6,112) v2(57,166.1) v2(57,127.6) v2(57,48.2) v2(57.1,159.4) v2(57.1,65.3) v2(57.2,57.9) v2(57.3,143.6) v2(57.3,69.2) v2(57.7,18.2) v2(57.9,127.62) v2(58.48,168.5) v2(59.2,100.4) v2(59.5,67.7) v2(59.6,71.4) v2(60.35,186.3) v2(61,57.2) v2(61.05,50.55) v2(61.5,69.9) v2(62.3,13.6) v2(62.5,164.9) v2(62.68,92.52) v2(64.5,104.4) v2(65.8,62.8) v2(66.2,9.4) v2(66.4,143.6) v2(67.73,159.42) v2(68.5,102) v2(68.5,98) v2(69.5,147.9) v2(70.1,69.8) v2(70.1,41.6) v2(70.1,41) v2(70.2,67.4) v2(71.07,115.98) v2(71.1,114.1) v2(71.2,4.6) v2(71.5,31.6) v2(71.5,30.9) v2(72.53,177.42) v2(73,116) v2(73.1,114) v2(73.19,48.57) v2(74.1,127.62) v2(74.3,24.65) v2(74.61,48.57) v2(74.9,31.6) v2(74.9,30.9) v2(75,127.6) v2(75.1,25.65) v2(75.9,127.62) v2(75.9,25.65) v2(75.9,24.65) v2(76.33,171.95) v2(76.5,142.33) v2(77.1,8.5) v2(77.88,165) v2(77.9,114) v2(78,116.5) v2(78.3,31.6) v2(78.3,30.9) v2(78.7,182.55) v2(81.3,112.2) v2(81.5,116.5) v2(81.8,136.8) v2(82.6,182.5) v2(83.39,47.87) v2(84.81,47.87) v2(85.18,157.65) v2(86.2,121.4) v2(86.3,113.6) v2(86.3,108.3) v2(86.31,96.08) v2(87.2,106.4) v2(87.2,104.4) v2(87.2,101.5) v2(87.2,99.9) v2(87.2,97.9) v2(88.1,177.3) v2(88.4,119.4) v2(93.42,171.52) v2(93.78,149.1) v2(98.8,80.1) v2(99.6,80.1) v2(100.01,165.02) v2(100.4,80.1) v2(106,246.3) v2(107.5,33) v2(121.2,134.7) v2(126.1,130) v2(128.9,126.2) v2(129.9,90.8) v2(130.7,90.8) v2(131.5,90.8) v2(132.3,179) v2(132.7,168.1) v2(133,153.5) v2(134.1,176.3) v2(136.4,117.6) v2(137.2,146.6) v2(141,117.6) v2(142.1,151.7) v2(142.3,105.5) v2(142.7,181.4) v2(143.9,182.9) v2(144.8,42.1) v2(145.9,160.4) v2(145.9,43.2) v2(146.3,146.4) v2(146.4,93.1) v2(147.8,96.1) v2(147.9,168.7) v2(148.2,8.2) v2(148.93,93.98) v2(149,125.8) v2(150.76,92.1) v2(151.8,4.8) v2(152,89.6) v2(153.4,156.3) v2(155.9,158.5) v2(156,31.3) v2(157.4,70.3) v2(157.4,31.3) v2(159.6,46.5) v2(159.9,67.7) v2(159.9,60.1) v2(160.3,163.1) v2(160.4,72) v2(161.6,43.5) v2(162.3,165.2) v2(162.7,139.6) v2(162.8,69.5) v2(162.9,60) v2(165.3,163.4) v2(165.3,161.3) v2(165.3,159.1) v2(165.29,156.97) v2(165.3,154.8) v2(165.4,152.8) v2(165.41,150.71) v2(165.4,148.5) v2(165.4,138.2) v2(165.5,144.8) v2(166.4,66.1) v2(166.7,135.96) v2(166.7,134.54) v2(166.7,133.13) v2(166.7,131.69) v2(166.7,130.4) v2(168.5,141.8) v2(169.2,72) v2(169.4,149.6) v2(169.4,144.6) v2(170.08,135.93) v2(170.08,134.52) v2(170.08,133.1) v2(170.08,131.69) v2(170.1,128.8) v2(171,127.7) v2(173.9,72.2) v2(174,70.2) v2(175,169.2) v2(176.6,76.2) v2(176.7,70.3) v2(176.7,66.1) v2(177.5,130.6) v2(177.5,127.7) v2(178.2,136.1) v2(180.27,164.85) v2(180.3,163.3) v2(180.3,161.8) v2(180.3,160.3) v2(180.3,158.8) v2(180.31,157.19) v2(180.3,155.9) v2(180.8,182.2) v2(180.83,175.08) v2(181.1,130.6) v2(181.3,154.3) v2(181.3,151.7) v2(181.3,148.8) v2(182.5,78) v2(182.5,72.5) v2(182.5,62.9) v2(182.5,53.9) v2(182.5,45.2) v2(183.1,204.6) v2(183.6,194.4) v2(183.6,184.8) v2(183.83,206.27) v2(184,72.5) v2(184,62.9) v2(184,53.9) v2(184,45.2) v2(184.1,79.4) v2(187.1,36) v2(187.1,34.5) v2(189.1,85.9) v2(189.2,154.9) v2(189.3,151.7) v2(189.3,148.6) v2(189.6,91.8) v2(189.7,163.5) v2(191.9,98.2) v2(192.2,30.8) v2(192.8,204.7) v2(192.8,151.7) v2(193.2,103.8) v2(193.3,45.4) v2(193.51,170.46) v2(193.5,53) v2(193.6,210.7) v2(193.55,157.56) v2(193.6,30) v2(193.8,98.6) v2(194.22,171.17) v2(194.22,169.76) v2(194.26,158.27) v2(194.26,156.86) v2(194.93,171.88) v2(194.93,170.46) v2(194.93,169.05) v2(194.96,158.98) v2(194.96,157.56) v2(194.96,156.15) v2(195.6,204.1) v2(195.64,172.59) v2(195.64,171.17) v2(195.64,169.76) v2(195.64,168.34) v2(195.67,159.69) v2(195.67,158.27) v2(195.67,156.86) v2(195.67,155.44) v2(196.1,187) v2(196.34,171.88) v2(196.34,170.46) v2(196.34,169.05) v2(196.38,158.98) v2(196.38,157.56) v2(196.38,156.15) v2(196.5,36.6) v2(196.6,199) v2(197.05,171.17) v2(197.05,169.76) v2(197.08,158.27) v2(197.08,156.86) v2(197.2,68.8) v2(197.3,98.6) v2(197.3,83) v2(197.3,35.7) v2(197.4,91.5) v2(197.76,170.46) v2(197.79,157.56) v2(197.91,164.6) v2(198.1,184.5) v2(198.25,59.17) v2(198.9,68.7) v2(199,149.6) v2(199.2,210.7) v2(199.2,104.9) v2(199.6,79.7) v2(201.9,181.4) v2(202,88.8) v2(202.2,219.6) v2(202.3,59.6) v2(202.5,169.29) v2(202.7,81.8) v2(202.9,62.1) v2(203.2,154.9) v2(203.4,176.7) v2(203.8,104.7) v2(204.4,167.9) v2(205.13,160.2) v2(205.6,62.1) v2(206,185.3) v2(209.4,75.1) v2(209.4,73.4) v2(209.4,71.8) v2(210.5,38.2) v2(212.9,117) v2(213.8,62.4) v2(214.3,106.3) v2(214.4,110.1) v2(215,37) v2(215.2,35.4) v2(216.42,167.91) v2(216.5,34) v2(218,74.1) v2(219.5,88.5) v2(221.1,155.69) v2(221.1,118.1) v2(221.9,115.9) v2(222.8,89.3) v2(223.1,91.3) v2(226.02,167.91) v2(228.5,86) v2(229.2,155.7)
